# Altium PCB Aarons_MnDOT_Board_V1.1.PcbDoc (part 3 of 3)
Units mil, origin at the board's own origin, x right, y up, seen from the top; angles counter-clockwise.
Board outline 4500 x 2200 mil, 4 copper layers (Top Layer, Signal Layer 1, Signal Layer 2, Bottom Layer), stack 30.634 mil thick; 292 components, 149 nets, 764 pads, 182 vias.
Unrouted connection lines stored in the file: 2.
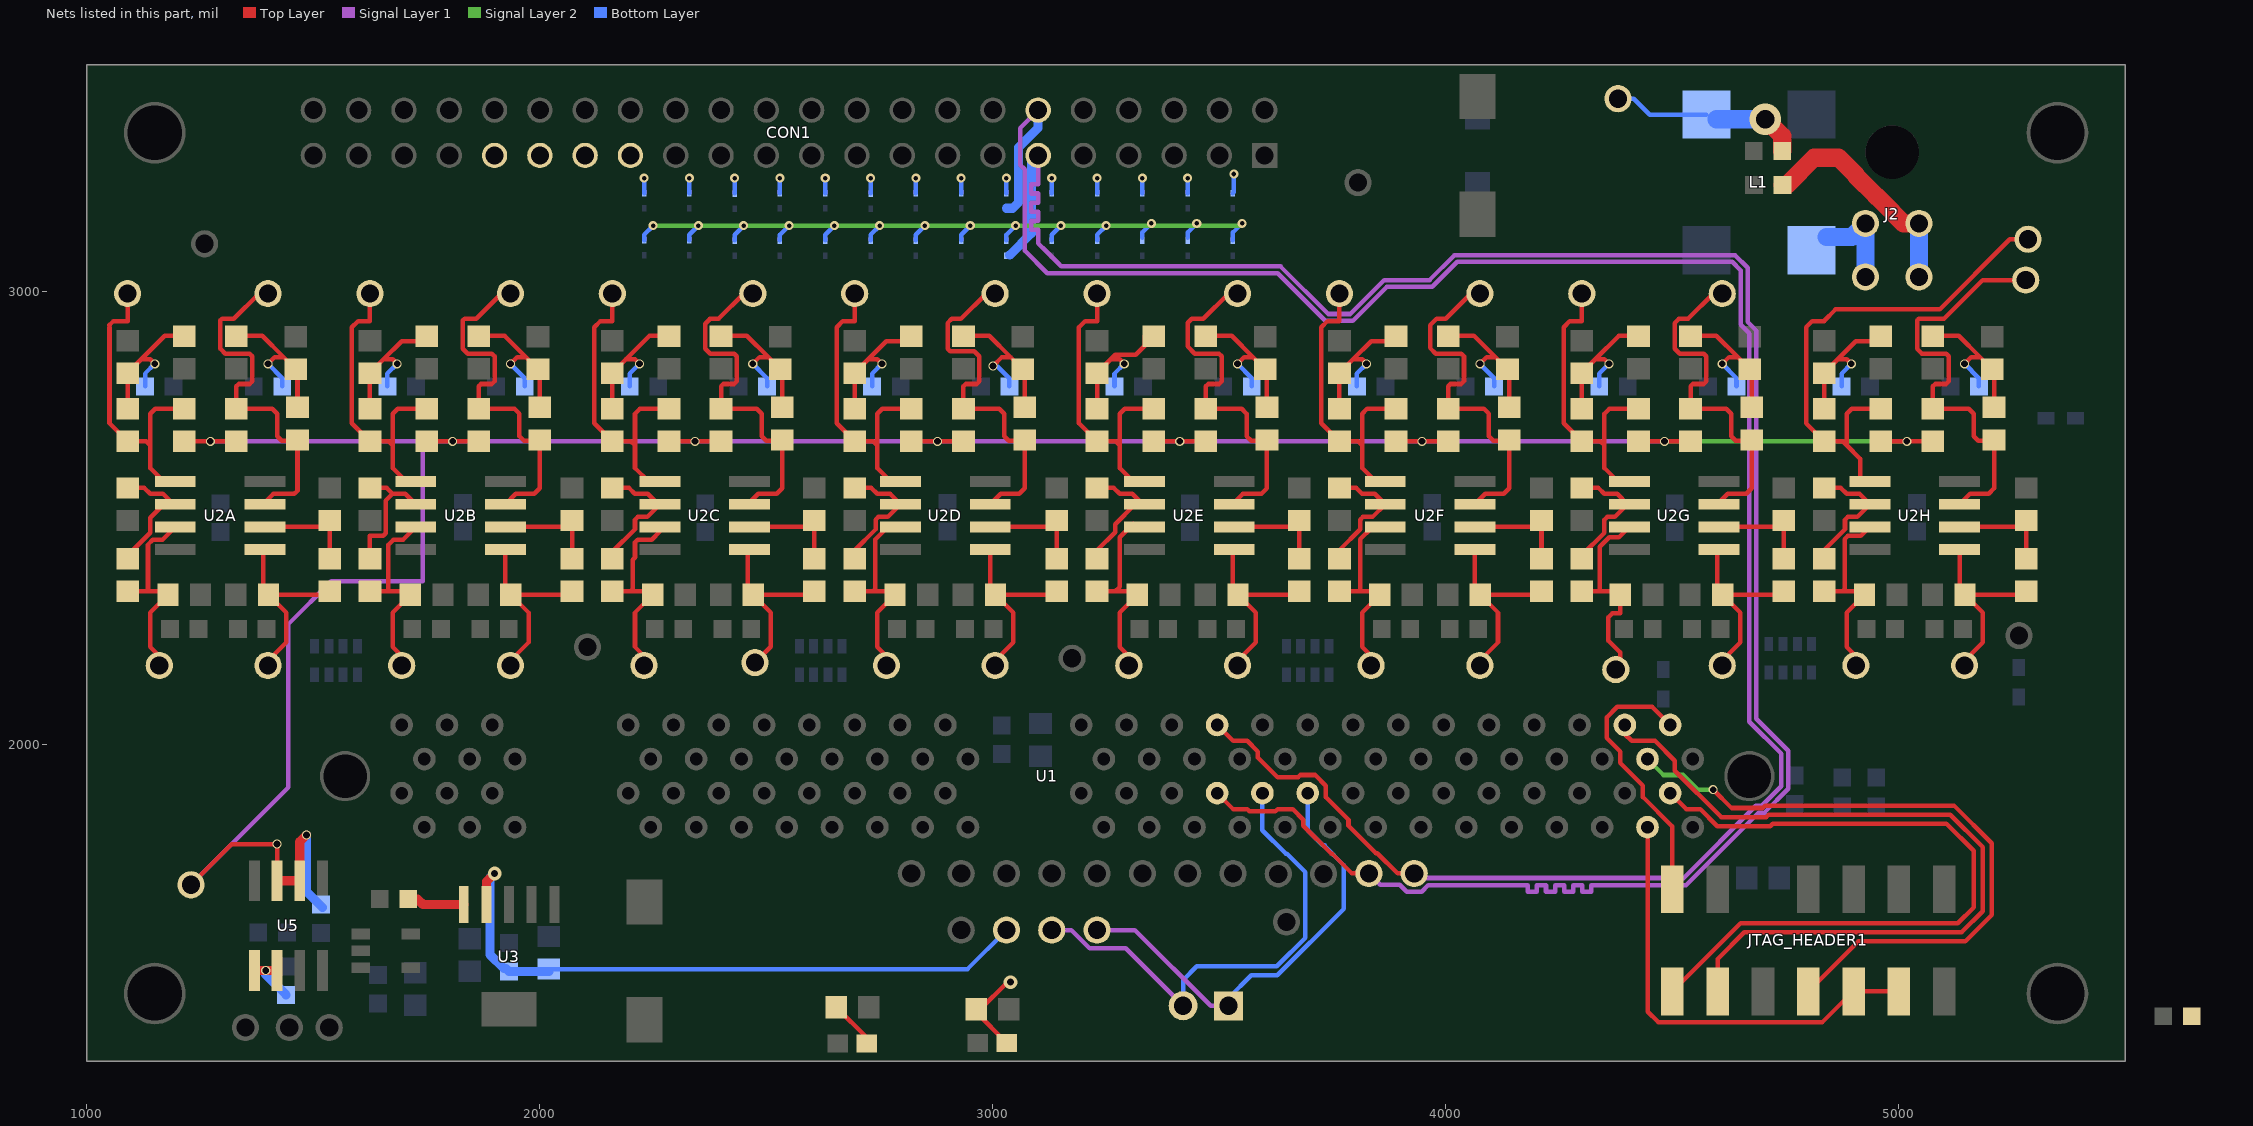
[diagram p5: the nets of this part, all layers, seen from the top]

## Via types
v1: diameter 20, hole 15, Top Layer to Bottom Layer, 97 vias
v2: diameter 30, hole 15, Top Layer to Bottom Layer, 49 vias
v3: diameter 20, hole 10, Top Layer to Bottom Layer, 28 vias
v4: diameter 70, hole 40, Top Layer to Bottom Layer, 8 vias

## Nets (pads, with @x,y where several pads share a name; then routed paths per layer and width w, separated by ;. In a path a pad name is that pad's centre, name@x,y a point inside that pad or via, vN(x,y) a via of type N, cw(c..) or ccw(c..) an arc to the next point about the centre after c; other vN are vias at no path point) (continued)
ePWM6A: CON1.11 D25.1 TP12.1 U1.29 | length 4975.4
  Top Layer w10: U1.29@3495,1892.4 3530.2,1857.2 3561.57,1857.2 3566.37,1852.4 3623.63,1852.4 3628.43,1857.2 3661.57,1857.2 3685,1833.77 3685,1820.64 3746.63,1759.01 3748.64,1759.01 3792.65,1715 TP12.1@3830,1715
  Signal Layer 1 w10: CON1.11@3100,3300 3100,3273 3100,3256 3100,3236 3085,3236 3085,3216 3100,3216 3100,3196 3085,3196 3085,3176 3100,3176 3100,3156 3085,3156 3085,3136 3100,3136 3100,3116 3100,3106 3101.5,3104.5 3115.64,3090.36 3129.79,3076.21 3143.93,3062.07 3151,3055 3635,3055 3740,2950 3788.64,2950 3863.64,3025 3963.85,3025 4018.85,3080 4638.21,3080 4666,3052.21 4666,2932.43 4685,2913.43 4685,2056.42 4755.5,1985.92 4755.5,1901.66 4703.34,1849.5 4690.51,1849.5 4530.01,1689 4341,1689 4321,1689 4321,1675 4301,1675 4301,1689 4281,1689 4281,1675 4261,1675 4261,1689 4241,1689 4241,1675 4221,1675 4221,1689 4201,1689 4201,1675 4181,1675 4181,1689 4161,1689 4151,1689 3960.57,1689 3946.57,1675 3913.43,1675 3898.43,1690 3855,1690 TP12.1@3830,1715
  Bottom Layer w20: 3037.22,3080.15 3085,3127.93 CON1.11@3085,3300
ePWM6B: CON1.12 D31.1 TP13.1 U1.79 | length 4969.5
  Top Layer w10: U1.79@3495,2042.8 3530.2,2007.6 3561.57,2007.6 3585,1984.17 3585,1971.03 3628.43,1927.6 3673.63,1927.6 3678.43,1932.4 3711.57,1932.4 3735,1908.97 3735,1883.77 3785,1833.77 3785,1820.64 3845.64,1760 3848.64,1760 3893.64,1715 TP13.1@3930,1715
  Signal Layer 1 w10: CON1.12@3100,3400 3060,3360 3060,3279.19 3070,3269.19 3070,3090 3120,3040 3628.79,3040 3733.79,2935 3794.85,2935 3869.85,3010 3970.06,3010 4025.06,3065 4632,3065 4651,3046 4651,2926.22 4670,2907.22 4670,2050.2 4740.5,1979.7 4740.5,1907.87 4697.13,1864.5 4684.29,1864.5 4524.79,1705 3940,1705 TP13.1@3930,1715
  Bottom Layer w20: D31.1@3030.3,3183.46 3043.46,3183.46 3057,3197 3057,3317.81 3100,3360.81 CON1.12@3100,3400
GND: CON1.29 CON1.31 CON1.33 CON1.35 D6.2 D7.2 D8.2 D9.2 D10.2 D11.2 D12.2 D13.2 D14.2 D15.2 D16.2 D17.2 D18.2 D19.2 D20.2 D21.2 D22.2 D23.2 D24.2 D25.2 D26.2 D27.2 D28.2 D29.2 D30.2 D31.2 D32.2 D33.2 J2.1 J2.2 L1.4 | length 2546.1
  Signal Layer 2 w10: v3(2250,3145) v3(2350,3145) v3(2450,3145) v3(2550,3145) v3(2650,3145) v3(2750,3145) v3(2850,3145) v3(2950,3145) v3(3050,3145) v3(3150,3145) v3(3250,3145) v3@3550,3145
  Bottom Layer w10: D32.2@2230,3113.07 2230,3125 v3(2250,3145) ; v3(2230,3250) 2230,3216.69 D33.2@2230.15,3216.54 ; D6.2@2330,3113.07 2330,3125 v3(2350,3145) ; D13.2@2330,3216.69 v3(2330,3250) ; D7.2@2430,3113.07 2430,3125 v3(2450,3145) ; D14.2@2430,3216.69 v3(2430,3250) ; D8.2@2530,3113.07 2530,3125 v3(2550,3145) ; D15.2@2530,3216.69 v3(2530,3250) ; D9.2@2630,3113.07 2630,3125 v3(2650,3145) ; D16.2@2630,3216.69 v3(2630,3250) ; D10.2@2730,3113.07 2730,3125 v3(2750,3145) ; D17.2@2730,3216.69 v3(2730,3250) ; D11.2@2830,3113.07 2830,3125 v3(2850,3145) ; D18.2@2830,3216.69 v3(2830,3250) ; D12.2@2930,3113.07 2930,3125 v3(2950,3145) ; D19.2@2930,3216.69 v3(2930,3250) ; D25.2@3030,3113.07 3030,3125 v3(3050,3145) ; D31.2@3030,3216.69 v3(3030,3250) ; D24.2@3130,3113.07 3130,3125 v3(3150,3145) ; D30.2@3130,3216.69 v3(3130,3250) ; D23.2@3230,3113.07 3230,3125 v3(3250,3145) ; D29.2@3230,3216.69 v3(3230,3250) ; D22.2@3330,3118.07 3330,3130 v3(3350,3150) ; D28.2@3330,3216.69 v3(3330,3250) ; D21.2@3430,3118.07 3430,3130 v3(3450,3150) ; D27.2@3430,3216.69 v3(3430,3250) ; D20.2@3530,3113.07 3530,3130 v3(3550,3150) ; D26.2@3530,3216.69 3532,3218.69 v3(3532,3259)
  Bottom Layer w40: L1.4@4840,3120 4896.08,3120 J2.1@4926.08,3150 J2.2@4926.08,3046.89
NetC9A_1: C9A.1 R5A.2 R6A.2 R7A.2 | length 345.6
  Top Layer w10: R7A.2@1335,2902 1387,2902 1434,2855 ; v1(1400,2840) 1415,2855 1434,2855 ; R6A.2@1465,2743.97 1465,2824 R5A.2@1461.02,2827.98 1434,2855
  Bottom Layer w10: v1(1400,2840) 1431.5,2808.5 C9A.1@1431.5,2790
NetC9B_1: C9B.1 R5B.2 R6B.2 R7B.2 | length 345.6
  Top Layer w10: R7B.2@1870,2902 1922,2902 1969,2855 ; v1(1935,2840) 1950,2855 1969,2855 ; R6B.2@2000,2743.97 2000,2824 R5B.2@1996.02,2827.98 1969,2855
  Bottom Layer w10: v1(1935,2840) 1966.5,2808.5 C9B.1@1966.5,2790
NetC9C_1: C9C.1 R5C.2 R6C.2 R7C.2 | length 345.6
  Top Layer w10: R7C.2@2405,2902 2457,2902 2504,2855 ; v1(2470,2840) 2485,2855 2504,2855 ; R6C.2@2535,2743.97 2535,2824 R5C.2@2531.02,2827.98 2504,2855
  Bottom Layer w10: v1(2470,2840) 2501.5,2808.5 C9C.1@2501.5,2790
NetC9D_1: C9D.1 R5D.2 R6D.2 R7D.2 | length 355.6
  Top Layer w10: R7D.2@2940,2902 2992,2902 3039,2855 ; v1(3000,2835) 3020,2855 3039,2855 ; R6D.2@3070,2743.97 3070,2824 R5D.2@3066.02,2827.98 3039,2855
  Bottom Layer w10: v1(3000,2835) 3010,2835 3036.5,2808.5 C9D.1@3036.5,2790
NetC9E_1: C9E.1 R5E.2 R6E.2 R7E.2 | length 345.6
  Top Layer w10: R7E.2@3475,2902 3527,2902 3574,2855 ; v1(3540,2840) 3555,2855 3574,2855 ; R6E.2@3605,2743.97 3605,2824 R5E.2@3601.02,2827.98 3574,2855
  Bottom Layer w10: v1(3540,2840) 3571.5,2808.5 C9E.1@3571.5,2790
NetC9F_1: C9F.1 R5F.2 R6F.2 R7F.2 | length 345.6
  Top Layer w10: R7F.2@4010,2902 4062,2902 4109,2855 ; v1(4075,2840) 4090,2855 4109,2855 ; R6F.2@4140,2743.97 4140,2824 R5F.2@4136.02,2827.98 4109,2855
  Bottom Layer w10: v1(4075,2840) 4106.5,2808.5 C9F.1@4106.5,2790
NetC9G_1: C9G.1 R5G.2 R6G.2 R7G.2 | length 345.6
  Top Layer w10: R7G.2@4545,2902 4597,2902 4644,2855 ; v1(4610,2840) 4625,2855 4644,2855 ; R6G.2@4675,2743.97 4675,2824 R5G.2@4671.02,2827.98 4644,2855
  Bottom Layer w10: v1(4610,2840) 4641.5,2808.5 C9G.1@4641.5,2790
NetC9H_1: C9H.1 R5H.2 R6H.2 R7H.2 | length 345.6
  Top Layer w10: R7H.2@5080,2902 5132,2902 5179,2855 ; v1(5145,2840) 5160,2855 5179,2855 ; R6H.2@5210,2743.97 5210,2824 R5H.2@5206.02,2827.98 5179,2855
  Bottom Layer w10: v1(5145,2840) 5176.5,2808.5 C9H.1@5176.5,2790
NetC12A_1: C12A.1 R12A.2 R13A.2 R14A.2 | length 331
  Top Layer w10: R13A.2@1090,2741 R12A.2@1090,2819 1090,2820 1120,2850 ; v1(1150,2840) 1140,2850 1120,2850 ; R14A.2@1215,2902 1172,2902 1120,2850
  Bottom Layer w10: C12A.1@1128.5,2790 1128.5,2818.5 v1(1150,2840)
NetC12B_1: C12B.1 R12B.2 R13B.2 R14B.2 | length 331
  Top Layer w10: R13B.2@1625,2741 R12B.2@1625,2819 1625,2820 1655,2850 ; v1(1685,2840) 1675,2850 1655,2850 ; R14B.2@1750,2902 1738,2890 1695,2890 1655,2850
  Bottom Layer w10: C12B.1@1663.5,2790 1663.5,2818.5 v1(1685,2840)
NetC12C_1: C12C.1 R12C.2 R13C.2 R14C.2 | length 331
  Top Layer w10: R13C.2@2160,2741 R12C.2@2160,2819 2160,2820 2190,2850 ; v1(2220,2840) 2210,2850 2190,2850 ; R14C.2@2285,2902 2242,2902 2190,2850
  Bottom Layer w10: C12C.1@2198.5,2790 2198.5,2818.5 v1(2220,2840)
NetC12D_1: C12D.1 R12D.2 R13D.2 R14D.2 | length 331
  Top Layer w10: R13D.2@2695,2741 R12D.2@2695,2819 2695,2820 2725,2850 ; v1(2755,2840) 2745,2850 2725,2850 ; R14D.2@2820,2902 2808,2890 2765,2890 2725,2850
  Bottom Layer w10: C12D.1@2733.5,2790 2733.5,2818.5 v1(2755,2840)
NetC12E_1: C12E.1 R12E.2 R13E.2 R14E.2 | length 344.1
  Top Layer w10: R13E.2@3230,2741 R12E.2@3230,2819 3230,2820 3260,2850 ; v1(3290,2840) 3280,2850 3260,2850 ; R14E.2@3355,2902 3335,2902 3335,2879.64 3315.36,2860 3270,2860 3260,2850
  Bottom Layer w10: C12E.1@3268.5,2790 3268.5,2818.5 v1(3290,2840)
NetC12F_1: C12F.1 R12F.2 R13F.2 R14F.2 | length 331
  Top Layer w10: R13F.2@3765,2741 R12F.2@3765,2819 3765,2820 3795,2850 ; v1(3825,2840) 3815,2850 3795,2850 ; R14F.2@3890,2902 3878,2890 3835,2890 3795,2850
  Bottom Layer w10: C12F.1@3803.5,2790 3803.5,2818.5 v1(3825,2840)
NetC12G_1: C12G.1 R12G.2 R13G.2 R14G.2 | length 331
  Top Layer w10: R13G.2@4300,2741 R12G.2@4300,2819 4300,2820 4330,2850 ; v1(4360,2840) 4350,2850 4330,2850 ; R14G.2@4425,2902 4382,2902 4330,2850
  Bottom Layer w10: C12G.1@4338.5,2790 4338.5,2818.5 v1(4360,2840)
NetC12H_1: C12H.1 R12H.2 R13H.2 R14H.2 | length 331
  Top Layer w10: R13H.2@4835,2741 R12H.2@4835,2819 4835,2820 4865,2850 ; v1(4895,2840) 4885,2850 4865,2850 ; R14H.2@4960,2902 4948,2890 4905,2890 4865,2850
  Bottom Layer w10: C12H.1@4873.5,2790 4873.5,2818.5 v1(4895,2840)
NetC19_2: C19.2 C23.1 F3.1 TP37.1 U3.4 U3.5 | length 1577.8
  Top Layer w10: F3.1@1709.5,1658.53 1730,1658.53
  Top Layer w20: 1730,1658.53 1742.03,1646.5 U3.5@1832.04,1646.5 ; U3.4@1882.04,1646.5 1882.04,1697.04 v2(1900,1715)
  Bottom Layer w10: C23.1@2020,1504 2944,1504 TP37.1@3030,1590
  Bottom Layer w20: v2(1900,1715) 1890,1705 1890,1535.88 1920.44,1505.44 1925.1,1505.44 C19.2@1932.04,1498.5 C23.1@2020,1498.5
NetD4_1: D4.1 R16.1 | length 96.2
  Top Layer w10: R16.1@2654,1420.01 D4.1@2722,1352.01
NetD5_2: D5.2 R17.2 | length 181
  Top Layer w10: R17.2@2963,1408.66 D5.2@3031,1340.66 ; R17.2@2972.36,1415.2 v2@3032.36,1475.2
  other v2: 3039,1475.2
NetF1_1: F1.1 L1.2 TP41.1 | length 416.6
  Top Layer w40: v4(4705,3380) 4742.5,3342.5 F1.1@4742.5,3310
  Bottom Layer w10: TP41.1@4380,3425.3 4414.7,3425.3 4450,3390 L1.2@4575,3390 ; L1.2@4587.72,3390 L1.2@4597.72,3380
  Bottom Layer w40: L1.2@4597.72,3380 v4(4705,3380)
NetF4_1: F4.1 J2.3 J2.4 | length 506.2
  Top Layer w40: F4.1@4742.75,3234.93 4753.01,3234.93 4813.08,3295 4866.92,3295 4905,3256.92 4905,3255 4950,3210 4950.94,3210 4986.08,3174.85 4986.08,3173.92 5010,3150 J2.3@5044.19,3150
  Bottom Layer w40: J2.4@5044.19,3031.89 J2.3@5044.19,3150
NetR1A_1: R1A.1 R2A.2 U2A.2 | length 236.8
  Top Layer w10: U2A.2@1389,2480 U2A.2@1393,2480 1522.01,2480 R1A.1@1536.01,2494 R2A.2@1536.01,2409.99
NetR1B_1: R1B.1 R2B.2 U2B.2 | length 236.8
  Top Layer w10: U2B.2@1924,2480 2057.01,2480 R1B.1@2071.01,2494 R2B.2@2071.01,2409.99
NetR1C_1: R1C.1 R2C.2 U2C.2 | length 236.8
  Top Layer w10: U2C.2@2459,2480 U2C.2@2463,2480 2592.01,2480 R1C.1@2606.01,2494 R2C.2@2606.01,2409.99
NetR1D_1: R1D.1 R2D.2 U2D.2 | length 236.8
  Top Layer w10: U2D.2@2994,2480 3127.01,2480 R1D.1@3141.01,2494 R2D.2@3141.01,2409.99
NetR1E_1: R1E.1 R2E.2 U2E.2 | length 236.8
  Top Layer w10: U2E.2@3529,2480 U2E.2@3533,2480 3662.01,2480 R1E.1@3676.01,2494 R2E.2@3676.01,2409.99
NetR1F_1: R1F.1 R2F.2 U2F.2 | length 236.8
  Top Layer w10: U2F.2@4064,2480 4197.01,2480 R1F.1@4211.01,2494 R2F.2@4211.01,2409.99
NetR1G_1: R1G.1 R2G.2 U2G.2 | length 236.8
  Top Layer w10: U2G.2@4599,2480 U2G.2@4603,2480 4732.01,2480 R1G.1@4746.01,2494 R2G.2@4746.01,2409.99
NetR1H_1: R1H.1 R2H.2 U2H.2 | length 236.8
  Top Layer w10: U2H.2@5134,2480 5267.01,2480 R1H.1@5281.01,2494 R2H.2@5281.01,2409.99
NetR2A_1: R2A.1 R4A.1 TP29A.1 U2A.1 | length 438.8
  Top Layer w10: TP29A.1@1387.41,2172.41 1440,2225 1440,2291 R4A.1@1401,2330 ; U2A.1@1389,2430 1389,2342 R4A.1@1401,2330 ; R2A.1@1536.01,2337.99 1528.02,2330 R4A.1@1401,2330
NetR2B_1: R2B.1 R4B.1 TP29B.1 U2B.1 | length 438.8
  Top Layer w10: TP29B.1@1922.41,2172.41 1975,2225 1975,2291 R4B.1@1936,2330 ; U2B.1@1924,2430 1924,2342 R4B.1@1936,2330 ; R2B.1@2071.01,2337.99 2063.02,2330 R4B.1@1936,2330
NetR2C_1: R2C.1 R4C.1 TP29C.1 U2C.1 | length 423.5
  Top Layer w10: U2C.1@2459,2430 2459,2342 R4C.1@2471,2330 ; TP29C.1@2475,2180.4 2510,2215.4 2510,2291 R4C.1@2471,2330 ; R2C.1@2606.01,2337.99 2598.02,2330 R4C.1@2471,2330
NetR2D_1: R2D.1 R4D.1 TP29D.1 U2D.1 | length 438.8
  Top Layer w10: TP29D.1@2992.41,2172.41 3045,2225 3045,2291 R4D.1@3006,2330 ; U2D.1@2994,2430 2994,2342 R4D.1@3006,2330 ; R2D.1@3141.01,2337.99 3133.02,2330 R4D.1@3006,2330
NetR2E_1: R2E.1 R4E.1 TP29E.1 U2E.1 | length 438.8
  Top Layer w10: TP29E.1@3527.41,2172.41 3580,2225 3580,2291 R4E.1@3541,2330 ; U2E.1@3529,2430 3529,2342 R4E.1@3541,2330 ; R2E.1@3676.01,2337.99 3668.02,2330 R4E.1@3541,2330
NetR2F_1: R2F.1 R4F.1 TP29F.1 U2F.1 | length 438.8
  Top Layer w10: TP29F.1@4062.41,2172.41 4115,2225 4115,2291 R4F.1@4076,2330 ; U2F.1@4064,2430 4064,2342 R4F.1@4076,2330 ; R2F.1@4211.01,2337.99 4203.02,2330 R4F.1@4076,2330
NetR2G_1: R2G.1 R4G.1 TP29G.1 U2G.1 | length 438.8
  Top Layer w10: TP29G.1@4597.41,2172.41 4650,2225 4650,2291 R4G.1@4611,2330 ; U2G.1@4599,2430 4599,2342 R4G.1@4611,2330 ; R2G.1@4746.01,2337.99 4738.02,2330 R4G.1@4611,2330
NetR2H_1: R2H.1 R4H.1 TP29H.1 U2H.1 | length 438.8
  Top Layer w10: TP29H.1@5132.41,2172.41 5185,2225 5185,2291 R4H.1@5146,2330 ; U2H.1@5134,2430 5134,2342 R4H.1@5146,2330 ; R2H.1@5281.01,2337.99 5273.02,2330 R4H.1@5146,2330
NetR3A_1: R3A.1 R6A.1 TP30A.1 U2A.3 | length 808
  Top Layer w10: U2A.3@1389,2530 1412,2553 1458,2553 1465,2560 R6A.1@1465,2671.97 1463.03,2670 1430,2670 1420,2680 1420,2730 1409,2741 R3A.1@1330,2741 1330,2790.5 1335,2795.5 1359.14,2795.5 1365,2801.36 1365,2856.64 1359.14,2862.5 1305.86,2862.5 1295,2873.36 1295,2935.71 1298.79,2939.5 1324.5,2939.5 1380,2995 TP30A.1@1400,2995
NetR3B_1: R3B.1 R6B.1 TP30B.1 U2B.3 | length 805.1
  Top Layer w10: U2B.3@1924,2530 1947,2553 1988,2553 2000,2565 R6B.1@2000,2671.97 1998.03,2670 1965,2670 1955,2680 1955,2730 1944,2741 R3B.1@1865,2741 1865,2790.5 1870,2795.5 1894.14,2795.5 1900,2801.36 1900,2856.64 1894.14,2862.5 1840.86,2862.5 1830,2873.36 1830,2935.71 1833.79,2939.5 1859.5,2939.5 1915,2995 TP30B.1@1935,2995
NetR3C_1: R3C.1 R6C.1 TP30C.1 U2C.3 | length 801.5
  Top Layer w10: U2C.3@2459,2530 2482,2553 2523,2553 2535,2565 R6C.1@2535,2671.97 2533.03,2670 2500,2670 2490,2680 2490,2730 2479,2741 R3C.1@2400,2741 2400,2790.5 2405,2795.5 2429.14,2795.5 2435,2801.36 2435,2856.64 2429.14,2862.5 2375.86,2862.5 2365,2873.36 2365,2928.64 2375,2938.64 2375,2939.5 2394.5,2939.5 2450,2995 TP30C.1@2470,2995
NetR3D_1: R3D.1 R6D.1 TP30D.1 U2D.3 | length 801.7
  Top Layer w10: U2D.3@2994,2530 3017,2553 3058,2553 3070,2565 R6D.1@3070,2671.97 3068.03,2670 3035,2670 3025,2680 3025,2730 3014,2741 R3D.1@2935,2741 2935,2790.5 2940,2795.5 2964.14,2795.5 2970,2801.36 2970,2856.64 2959.14,2867.5 2905.86,2867.5 2900,2873.36 2900,2930 2909.5,2939.5 2929.5,2939.5 2985,2995 TP30D.1@3005,2995
NetR3E_1: R3E.1 R6E.1 TP30E.1 U2E.3 | length 809.2
  Top Layer w10: U2E.3@3529,2530 3552,2553 3593,2553 3605,2565 R6E.1@3605,2671.97 3603.03,2670 3570,2670 3560,2680 3560,2730 3549,2741 R3E.1@3470,2741 3470,2790.5 3475,2795.5 3499.14,2795.5 3505,2801.36 3505,2856.64 3499.14,2862.5 3445.86,2862.5 3430,2878.36 3430,2930.71 3438.79,2939.5 3464.5,2939.5 3520,2995 TP30E.1@3540,2995
NetR3F_1: R3F.1 R6F.1 TP30F.1 U2F.3 | length 808
  Top Layer w10: U2F.3@4064,2530 4087,2553 4128,2553 4140,2565 R6F.1@4140,2671.97 4138.03,2670 4105,2670 4095,2680 4095,2730 4084,2741 R3F.1@4005,2741 4005,2790.5 4010,2795.5 4034.14,2795.5 4040,2801.36 4040,2856.64 4034.14,2862.5 3977.5,2862.5 3965,2875 3965,2925.2 3979.3,2939.5 3999.5,2939.5 4055,2995 TP30F.1@4075,2995
NetR3G_1: R3G.1 R6G.1 TP30G.1 U2G.3 | length 801.7
  Top Layer w10: U2G.3@4599,2530 4622,2553 4663,2553 4675,2565 R6G.1@4675,2671.97 4673.03,2670 4640,2670 4630,2680 4630,2730 4619,2741 R3G.1@4540,2741 4540,2790.5 4545,2795.5 4569.14,2795.5 4575,2801.36 4575,2856.64 4569.14,2862.5 4515.86,2862.5 4505,2873.36 4505,2930 4514.5,2939.5 4534.5,2939.5 4590,2995 TP30G.1@4610,2995
NetR3H_1: R3H.1 R6H.1 TP30H.1 U2H.3 | length 952.5
  Top Layer w10: U2H.3@5134,2530 5157,2553 5198,2553 5210,2565 R6H.1@5210,2671.97 5208.03,2670 5175,2670 5165,2680 5165,2730 5154,2741 R3H.1@5075,2741 5075,2790.5 5080,2795.5 5104.14,2795.5 5110,2801.36 5110,2856.64 5104.14,2862.5 5050.86,2862.5 5040,2873.36 5040,2935.71 5043.79,2939.5 5099.5,2939.5 5185,3025 TP30H.1@5280,3025
NetR8A_1: R8A.1 R9A.2 U2A.6 | length 294.1
  Top Layer w10: R9A.2@1090,2409.99 1090,2417.36 1140,2467.36 1140,2500 1170,2530 U2A.6@1191,2530 ; R8A.1@1090,2566 1126.79,2566 1139.79,2553 1168,2553 U2A.6@1191,2530 ; U2A.6@1195,2530 U2A.6@1191,2530
NetR8B_1: R8B.1 R9B.2 U2B.6 | length 324.8
  Top Layer w10: R8B.1@1611,2566 R8B.1@1625,2566 1661.79,2566 1674.79,2553 ; R9B.2@1635,2399.99 R9B.2@1625,2409.99 1625,2460.5 1654.14,2460.5 1660,2466.36 1660,2538.21 1674.79,2553 ; U2B.6@1726,2530 1703,2553 1674.79,2553
NetR8C_1: R8C.1 R9C.2 U2C.6 | length 291.8
  Top Layer w10: R9C.2@2160,2409.99 2160,2425 2210,2475 2210,2496.14 2215.86,2502 2237,2502 U2C.6@2265,2530 ; R8C.1@2160,2566 2196.79,2566 2209.79,2553 2238,2553 U2C.6@2261,2530
NetR8D_1: R8D.1 R9D.2 U2D.6 | length 318.3
  Top Layer w10: R8D.1@2681,2566 R8D.1@2695,2566 2731.79,2566 2744.79,2553 2773,2553 U2D.6@2796,2530 2768,2502 2746.86,2502 2741,2496.14 2741,2474.43 2695,2428.43 R9D.2@2695,2409.99 R9D.2@2705,2399.99
NetR8E_1: R8E.1 R9E.2 U2E.6 | length 291.8
  Top Layer w10: R9E.2@3230,2409.99 3230,2428.43 3270,2468.43 3270,2486.14 3313.86,2530 U2E.6@3331,2530 ; R8E.1@3230,2566 3266.79,2566 3279.79,2553 3308,2553 U2E.6@3331,2530 ; U2E.6@3335,2530 U2E.6@3331,2530
NetR8F_1: R8F.1 R9F.2 U2F.6 | length 318.3
  Top Layer w10: R8F.1@3751,2566 R8F.1@3765,2566 3801.79,2566 3814.79,2553 3843,2553 U2F.6@3866,2530 3838,2502 3816.86,2502 3811,2496.14 3811,2475 3765,2429 R9F.2@3765,2409.99 R9F.2@3775,2399.99
NetR8G_1: R8G.1 R9G.2 U2G.6 | length 287.8
  Top Layer w10: R9G.2@4300,2409.99 4300,2417.36 4350,2467.36 4350,2496.14 4355.86,2502 4373,2502 4401,2530 4378,2553 4349.79,2553 4336.79,2566 R8G.1@4300,2566
NetR8H_1: R8H.1 R9H.2 U2H.6 | length 318.3
  Top Layer w10: R8H.1@4821,2566 R8H.1@4835,2566 4871.79,2566 4884.79,2553 4913,2553 U2H.6@4936,2530 4908,2502 4886.86,2502 4881,2496.14 4881,2475 4835,2429 R9H.2@4835,2409.99 R9H.2@4845,2399.99
NetR9A_1: R9A.1 R11A.1 TP31A.1 U2A.7 | length 452.9
  Top Layer w10: R9A.1@1090,2337.99 1130.51,2337.99 ; TP31A.1@1160,2175 1160,2195 1140,2215 1140,2291 R11A.1@1179,2330 1171.01,2337.99 1130.51,2337.99 ; U2A.7@1195,2480 1167,2452 1145.86,2452 1135,2441.14 1135,2342.49 1130.51,2337.99
NetR9B_1: R9B.1 R11B.1 TP31B.1 U2B.7 | length 451.4
  Top Layer w10: R9B.1@1625,2337.99 1665,2337.99 ; TP31B.1@1695,2175 1695,2195 1675,2215 1675,2291 R11B.1@1714,2330 1706.01,2337.99 1665,2337.99 ; U2B.7@1726,2480 1698,2452 1676.86,2452 1665,2440.14 1665,2337.99
NetR9C_1: R9C.1 R11C.1 TP31C.1 U2C.7 | length 494.2
  Top Layer w10: R9C.1@2160,2337.99 2200.51,2337.99 ; TP31C.1@2230,2175 2230,2195 2210,2215 2210,2291 R11C.1@2249,2330 2241.01,2337.99 2200.51,2337.99 ; U2C.7@2300,2480 U2C.7@2265,2480 2265,2470 2247,2452 2215.86,2452 2210,2446.14 2210,2413.86 2210.54,2413.32 2205,2407.79 2205,2342.49 2200.51,2337.99
NetR9D_1: R9D.1 R11D.1 TP31D.1 U2D.7 | length 494.3
  Top Layer w10: R9D.1@2695,2337.99 2735.51,2337.99 ; TP31D.1@2765,2175 2765,2195 2745,2215 2745,2291 R11D.1@2784,2330 2776.01,2337.99 2735.51,2337.99 ; U2D.7@2835,2480 U2D.7@2796,2480 2767.79,2480 2740,2452.21 2740,2342.49 2735.51,2337.99
NetR9E_1: R9E.1 R11E.1 TP31E.1 U2E.7 | length 504.5
  Top Layer w10: R9E.1@3230,2337.99 3270.51,2337.99 ; TP31E.1@3300,2175 3300,2195 3280,2215 3280,2291 R11E.1@3319,2330 3311.01,2337.99 3270.51,2337.99 ; U2E.7@3370,2480 U2E.7@3335,2480 3310,2480 3310,2487.21 3280,2457.21 3280,2347.49 3270.51,2337.99
NetR9F_1: R9F.1 R11F.1 TP31F.1 U2F.7 | length 493.7
  Top Layer w10: R9F.1@3765,2337.99 3811,2337.99 ; TP31F.1@3835,2175 3835,2195 3815,2215 3815,2291 R11F.1@3854,2330 3846.01,2337.99 3811,2337.99 ; U2F.7@3905,2480 U2F.7@3866,2480 3835,2480 3835,2477.21 3811,2453.21 3811,2337.99
NetR9G_1: R9G.1 R11G.1 TP31G.1 U2G.7 | length 470.6
  Top Layer w10: R9G.1@4300,2337.99 4340,2337.99 ; TP31G.1@4375,2165 4385,2175 4385,2202.86 4358.82,2229.04 4358.82,2280.83 4367.61,2289.62 4385,2289.62 R11G.1@4385,2330 4377.01,2337.99 4340,2337.99 ; U2G.7@4405,2480 4382,2457 4360.86,2457 4340,2436.14 4340,2337.99
NetR9H_1: R9H.1 R11H.1 TP31H.1 U2H.7 | length 494.7
  Top Layer w10: R9H.1@4835,2337.99 4875.51,2337.99 ; TP31H.1@4905,2175 4905,2195 4885,2215 4885,2291 R11H.1@4924,2330 4916.01,2337.99 4875.51,2337.99 ; U2H.7@4975,2480 U2H.7@4936,2480 4916,2460 4887.21,2460 4880,2452.79 4880,2342.49 4875.51,2337.99
NetR10A_1: R10A.1 R13A.1 TP32A.1 U2A.5 | length 671.1
  Top Layer w10: 1050,2920.71 1050,2709 R13A.1@1090,2669 1131,2669 1140,2660 ; 1050,2925.71 1058.79,2934.5 1090,2934.5 TP32A.1@1090,2977.01 ; U2A.5@1191,2580 1170,2580 1140,2610 1140,2660 ; R10A.1@1215,2741 1151,2741 1140,2730 1140,2660
NetR10B_1: R10B.1 R13B.1 TP32B.1 U2B.5 | length 673.2
  Top Layer w10: TP32B.1@1625,2977.01 1625,2934.5 1598.79,2934.5 1585,2920.71 1585,2709 R13B.1@1625,2669 1666,2669 1675,2660 ; U2B.5@1726,2580 1705,2580 1675,2610 1675,2660 ; R10B.1@1750,2741 1686,2741 1675,2730 1675,2660
NetR10C_1: R10C.1 R13C.1 TP32C.1 U2C.5 | length 673.2
  Top Layer w10: TP32C.1@2160,2977.01 2160,2934.5 2133.79,2934.5 2120,2920.71 2120,2709 R13C.1@2160,2669 2201,2669 2210,2660 ; U2C.5@2261,2580 2240,2580 2210,2610 2210,2660 ; R10C.1@2285,2741 2221,2741 2210,2730 2210,2660
NetR10D_1: R10D.1 R13D.1 TP32D.1 U2D.5 | length 673.2
  Top Layer w10: TP32D.1@2695,2977.01 2695,2934.5 2668.79,2934.5 2655,2920.71 2655,2709 R13D.1@2695,2669 2736,2669 2745,2660 ; U2D.5@2796,2580 2775,2580 2745,2610 2745,2660 ; R10D.1@2820,2741 2756,2741 2745,2730 2745,2660
NetR10E_1: R10E.1 R13E.1 TP32E.1 U2E.5 | length 673.2
  Top Layer w10: TP32E.1@3230,2977.01 3230,2934.5 3203.79,2934.5 3190,2920.71 3190,2709 R13E.1@3230,2669 3271,2669 3280,2660 ; U2E.5@3331,2580 3310,2580 3280,2610 3280,2660 ; R10E.1@3355,2741 3291,2741 3280,2730 3280,2660
NetR10F_1: R10F.1 R13F.1 TP32F.1 U2F.5 | length 673.2
  Top Layer w10: TP32F.1@3765,2977.01 3765,2934.5 3738.79,2934.5 3725,2920.71 3725,2709 R13F.1@3765,2669 3806,2669 3815,2660 ; U2F.5@3866,2580 3845,2580 3815,2610 3815,2660 ; R10F.1@3890,2741 3826,2741 3815,2730 3815,2660
NetR10G_1: R10G.1 R13G.1 TP32G.1 U2G.5 | length 673.2
  Top Layer w10: TP32G.1@4300,2977.01 4300,2934.5 4273.79,2934.5 4260,2920.71 4260,2709 R13G.1@4300,2669 4341,2669 4350,2660 ; U2G.5@4401,2580 4380,2580 4350,2610 4350,2660 ; R10G.1@4425,2741 4361,2741 4350,2730 4350,2660
NetR10H_1: R10H.1 R13H.1 TP32H.1 U2H.5 | length 1155.8
  Top Layer w10: U2H.5@4936,2580 4915,2580 4915,2630 4885,2660 ; R10H.1@4960,2741 4896,2741 4885,2730 4885,2660 ; TP32H.1@5285,3115 5245,3115 5090,2960 4860,2960 4835,2935 4835,2934.5 4808.79,2934.5 4795,2920.71 4795,2709 R13H.1@4835,2669 4876,2669 4885,2660
PHASE_SYNC_IN_1: J1.1 TP14.1 U1.33 | length 1003.9
  Signal Layer 1 w10: TP14.1@3230,1590 3313.58,1590 3480.59,1422.99 J1.1@3520,1422.99
  Bottom Layer w10: J1.1@3520,1422.99 3520,1440 3570,1490 3628,1490 3775,1637 3775,1732.65 3732.8,1774.85 3732.8,1777.2 3728.43,1777.2 3695,1810.64 U1.33@3695,1892.4
PHASE_SYNC_OUT: J1.2 TP15.1 U1.31 | length 1084.5
  Signal Layer 1 w10: TP15.1@3130,1590 3173.43,1590 3213.43,1550 3292.99,1550 J1.2@3420,1422.99
  Bottom Layer w10: J1.2@3420,1422.99 3420,1480 3450,1510 3626.79,1510 3690,1573.21 3690,1717.65 3648.64,1759.01 3646.63,1759.01 3595,1810.64 U1.31@3595,1892.4
TCK_DSP: JTAG_HEADER1.9 JTAG_HEADER1.11 U1.48 | length 999.2
  Top Layer w10: U1.48@4445,1817.2 4445.81,1816.39 4445.81,1410 4468.79,1387.03 4831.21,1387.03 4898.71,1454.53 JTAG_HEADER1.9@4900,1454.53 JTAG_HEADER1.11@5000,1454.53
TDI_DSP: JTAG_HEADER1.3 U1.97 | length 1772.9
  Top Layer w10: U1.97@4395,2042.8 4395,2022.6 4410,2007.6 4461.57,2007.6 4505,1964.17 4505,1942.06 4607.56,1839.5 4707.49,1839.5 4712.99,1845 5113.28,1845 5185,1773.28 5185,1631.72 5138.28,1585 4658.76,1585 4600,1526.24 JTAG_HEADER1.3@4600,1454.53
TDO_DSP: JTAG_HEADER1.7 U1.98 | length 1474.7
  Top Layer w10: v1(4590,1900) 4630.5,1859.5 4699.2,1859.5 4704.7,1865 5121.57,1865 5205,1781.57 5205,1623.43 5146.57,1565 4910.47,1565 JTAG_HEADER1.7@4800,1454.53
  Signal Layer 2 w10: U1.98@4445,1967.6 4480.2,1932.4 4523.63,1932.4 4556.03,1900 v1(4590,1900)
TMS_DSP: JTAG_HEADER1.1 U1.49 | length 1594.2
  Top Layer w10: U1.49@4495,1892.4 4530.2,1857.2 4561.57,1857.2 4599.27,1819.5 4715.77,1819.5 4721.27,1825 5105,1825 5165,1765 5165,1640 5130,1605 4650.47,1605 JTAG_HEADER1.1@4500,1454.53
TRSTn_DSP: JTAG_HEADER1.2 U1.99 | length 605.7
  Top Layer w10: U1.99@4495,2042.8 4455,2082.8 4378.43,2082.8 4355,2059.36 4355,2014.17 4385,1984.17 4385,1958.97 4435,1908.97 4435,1883.77 4500,1818.77 JTAG_HEADER1.2@4500,1680
VREF_1_65: C25.2 C27.2 R3A.2 R3B.2 R3C.2 R3D.2 R3E.2 R3F.2 R3G.2 R3H.2 R10A.2 R10B.2 R10C.2 R10D.2 R10E.2 R10F.2 R10G.2 R10H.2 TP40.1 U5.6 U5.7 | length 6615.3
  Top Layer w10: R10A.2@1215,2669 v1(1272.5,2669) R3A.2@1330,2669 ; TP40.1@1230,1690 1320,1780 v1(1420,1780) U5.7@1420,1699 ; R10B.2@1750,2669 v1(1807.5,2669) R3B.2@1865,2669 ; R10C.2@2285,2669 v1(2342.5,2669) R3C.2@2400,2669 ; R10D.2@2820,2669 v1(2877.5,2669) R3D.2@2935,2669 ; R10E.2@3355,2669 v1(3412.5,2669) R3E.2@3470,2669 ; R10F.2@3890,2669 v1(3947.5,2669) R3F.2@4005,2669 ; R10G.2@4425,2669 v1(4482.5,2669) R3G.2@4540,2669 ; R10H.2@4960,2669 v1(5017.5,2669) R3H.2@5075,2669
  Top Layer w20: U5.7@1420,1699 U5.6@1470,1699 1470,1785 v1(1485,1800)
  Signal Layer 1 w10: TP40.1@1230,1690 1445,1905 1445,2265.71 1539.29,2360 1741.72,2360 1741.72,2667.28 1740,2669 ; v1(1272.5,2669) 1740,2669 ; v1(4482.5,2669) v1(3947.5,2669) v1(3412.5,2669) v1(2877.5,2669) v1(2342.5,2669) v1(1807.5,2669) 1740,2669
  Signal Layer 2 w10: v1(4482.5,2669) v1(5017.5,2669)
  Bottom Layer w20: v1(1485,1800) 1485,1675 C27.2@1520.03,1639.97
VREF_3_3: C26.2 U5.1 U5.2 | length 122.7
  Top Layer w20: U5.1@1370,1501 v1(1395,1501) U5.2@1420,1501
  Bottom Layer w20: v1(1395,1501) 1395,1491.94 C26.2@1440,1446.94
pads on no net: J2.5 SH1.1 SH2.1 SH3.1 SH4.1 U1.1 U1.2 U1.3 U1.4 U1.5 U1.6 U1.16 U1.18 U1.20 U1.22 U1.30 U1.32 U1.34 U1.35 U1.36 U1.38 U1.39 U1.40 U1.41 U1.42 U1.43 U1.44 U1.45 U1.46 U1.51 U1.52 U1.53 U1.54 U1.55 U1.56 U1.66 U1.68 U1.70 U1.72 U1.80 U1.81 U1.83 U1.84 U1.85 U1.86 U1.88 U1.89 U1.90 U1.91 U1.93 U1.94 U1.95 U1.101 U1.102

## Polygon pours and split planes (outlines as drawn)
5V_D on Signal Layer 2 "Top Layer-No Net" (solid, pour order 60): 4728.31,2980 1440,2980 1440,3494.59 1445.41,3500 4728.31,3500
5V_D on Signal Layer 2 "Top Layer-No Net" (solid, remove dead copper, pour order 22): 2360,1625 2360,1490 2240,1490 2240,1645 1845,1645 1695,1495 1605,1495 1560,1460 1560,1680 1405,1675 1405,1576.4 1403.6,1575 1265,1575 1180,1660 1180,2090 3090,2090 3135,2135 3205,2135 3250,2090 5175,2090 5330,2245 5330,3150 5155,3325 4805,3325 4765,3285 4705,3229.56 4710,3330 4705,3335 4705,3500.36 5499.64,3500.36 5500,3500 5500,1660 5499.64,1300.36 3403.38,1299.73 3230.6,1472.5 2977.5,1472.5 2910,1540 2870,1580 2827.32,1622.68
5V_A on Signal Layer 2 "Top Layer-No Net" (solid, pour order 46): 3570,3090 3690,2970 4070,2970 4440,2970 4810,3320 5499.64,3501.54 5410,1300 1000.36,1300.36 1000,1300 1000,3500 1440,3500 1440,3090
DGND on Signal Layer 2 "Top Layer-No Net" (solid, pour order 56): 1440,3500 1440,3340 3660,3340 3700,3300 3700,3110 3750,3060 4120,3060 4120,3500
DGND on Bottom Layer "Top Layer-No Net" (solid, remove dead copper, pour order 48): 4130,3320 5160,3320 5330,3150 5330,2130 2960,2130 2950,2140 2950,1780 1140,1780 1140,3070 1420,3350 1850,3350 1850,3500 1000,3500 1000,1300 5500,1300 5500,3500 3740,3500 3740,3180 4130,3180
AGND on Bottom Layer "Top Layer-No Net" (solid, remove dead copper, pour order 54): 1000,3500 5346,3500 5346,1300 1000,1300
GND on Top Layer "Top Layer-No Net" (solid, pour order 64): 1850,3463.84 3731.16,3463.84 5324.59,3463.84 5324.59,2938.77 1850,2938.77
DGND on Top Layer "Top Layer-No Net" (solid, remove dead copper, pour order 50): 1140,1780 1140,3070 1420,3350 1850,3350 1850,3500 1000,3500 1000,1300 5500,1300 5500,3500 3740,3500 3740,3080 4200,3080 4200,3320 5160,3320 5330,3150 5330,2048.9 3076.65,2048.9 2725.54,1780
AGND on Top Layer "Top Layer-No Net" (solid, remove dead copper, pour order 52): 3570,1300 3550,1320 3550,2050 3076.65,2050 2725.54,1780 2700,1770 2700,1300 1000,1300 1000,3500 1860,3500 1860,2940 5500,2940 5500,1300
DGND on Signal Layer 1 "Top Layer-No Net" (solid, remove dead copper, pour order 62): 1000,3500 5500,3500 5500,1300 1000,1300

## Keep-outs
Keep-Out Layer:
  the board outline again, w1

## Other copper
Top Layer:
  pour cut-out: 1845,2600 1970,2600 1975,2595 1975,2565 1970,2565 1965,2565 1850,2565 1845,2570
  pour cut-out: 2380,2600 2505,2600 2510,2595 2510,2565 2505,2565 2500,2565 2385,2565 2380,2570
  pour cut-out: 2915,2600 3040,2600 3045,2595 3045,2565 3040,2565 3035,2565 2920,2565 2915,2570
  pour cut-out: 3450,2600 3575,2600 3580,2595 3580,2565 3575,2565 3570,2565 3455,2565 3450,2570
  pour cut-out: 3985,2600 4110,2600 4115,2595 4115,2565 4110,2565 4105,2565 3990,2565 3985,2570
  pour cut-out: 4520,2600 4645,2600 4650,2595 4650,2565 4645,2565 4640,2565 4525,2565 4520,2570
  pour cut-out: 5055,2600 5180,2600 5185,2595 5185,2565 5180,2565 5175,2565 5060,2565 5055,2570
  pour cut-out: 1310,2600 1435,2600 1440,2595 1440,2565 1435,2565 1430,2565 1315,2565 1310,2570
Signal Layer 2:
  pour cut-out: 4985,2400 4986,2399 5005,2399 5005,2394 5013,2386 5010,2383 5010,2371 5009,2371 5005,2367 4982,2367 4982,2373 4975,2380 4977,2382 4977,2392
  pour cut-out: 4423,2407 4424,2406 4443,2406 4443,2401 4451,2393 4448,2390 4448,2378 4447,2378 4443,2374 4420,2374 4420,2380 4413,2387 4415,2389 4415,2399
  pour cut-out: 3915,2400 3916,2399 3935,2399 3935,2394 3943,2386 3940,2383 3940,2371 3939,2371 3935,2367 3912,2367 3912,2373 3905,2380 3907,2382 3907,2392
  pour cut-out: 3390,2400 3391,2399 3410,2399 3410,2394 3418,2386 3415,2383 3415,2371 3414,2371 3410,2367 3387,2367 3387,2373 3380,2380 3382,2382 3382,2392
  pour cut-out: 2845,2400 2846,2399 2865,2399 2865,2394 2873,2386 2870,2383 2870,2371 2869,2371 2865,2367 2842,2367 2842,2373 2835,2380 2837,2382 2837,2392
  pour cut-out: 2320,2400 2321,2399 2340,2399 2340,2394 2348,2386 2345,2383 2345,2371 2344,2371 2340,2367 2317,2367 2317,2373 2310,2380 2312,2382 2312,2392
  pour cut-out: 1775,2400 1776,2399 1795,2399 1795,2394 1803,2386 1800,2383 1800,2371 1799,2371 1795,2367 1772,2367 1772,2373 1765,2380 1767,2382 1767,2392
  pour cut-out: 1250,2400 1251,2399 1270,2399 1270,2394 1278,2386 1275,2383 1275,2371 1274,2371 1270,2367 1247,2367 1247,2373 1240,2380 1242,2382 1242,2392
Bottom Layer:
  pour cut-out: 1310,2602 1311,2601 1330,2601 1330,2596 1338,2588 1335,2585 1335,2573 1334,2573 1330,2569 1307,2569 1307,2575 1300,2582 1302,2584 1302,2594
  pour cut-out: 1845,2602 1846,2601 1865,2601 1865,2596 1873,2588 1870,2585 1870,2573 1869,2573 1865,2569 1842,2569 1842,2575 1835,2582 1837,2584 1837,2594
  pour cut-out: 2380,2602 2381,2601 2400,2601 2400,2596 2408,2588 2405,2585 2405,2573 2404,2573 2400,2569 2377,2569 2377,2575 2370,2582 2372,2584 2372,2594
  pour cut-out: 2915,2602 2916,2601 2935,2601 2935,2596 2943,2588 2940,2585 2940,2573 2939,2573 2935,2569 2912,2569 2912,2575 2905,2582 2907,2584 2907,2594
  pour cut-out: 3450,2602 3451,2601 3470,2601 3470,2596 3478,2588 3475,2585 3475,2573 3474,2573 3470,2569 3447,2569 3447,2575 3440,2582 3442,2584 3442,2594
  pour cut-out: 5055,2602 5056,2601 5075,2601 5075,2596 5083,2588 5080,2585 5080,2573 5079,2573 5075,2569 5052,2569 5052,2575 5045,2582 5047,2584 5047,2594
  pour cut-out: 4520,2602 4521,2601 4540,2601 4540,2596 4548,2588 4545,2585 4545,2573 4544,2573 4540,2569 4517,2569 4517,2575 4510,2582 4512,2584 4512,2594
  pour cut-out: 3985,2602 3986,2601 4005,2601 4005,2596 4013,2588 4010,2585 4010,2573 4009,2573 4005,2569 3982,2569 3982,2575 3975,2582 3977,2584 3977,2594

## Silkscreen, mask and mechanical layers (free items; w line width, h text height)
Top Overlay:
  text "SPEED" at 3860,1550 h60
  text "Sustainable Power Electronics" at 3650,1490 h25
  text "5V-D" at 2620,1470 h40
  text "3.3V" at 2930,1470 h40
  text "and Electric Drive Lab" at 3650,1445 h25
  text "Designed by Aaron Niehaus" at 3650,1375 h60
  text "Version 1.0 August 2019" at 3700,1325 h15

## Text inside footprints (layer, text, board x,y; h text height)
J1: Top Overlay "1" at 3617,1444.99 h30 r180